# KiCad board klofi.kicad_pcb (continued)
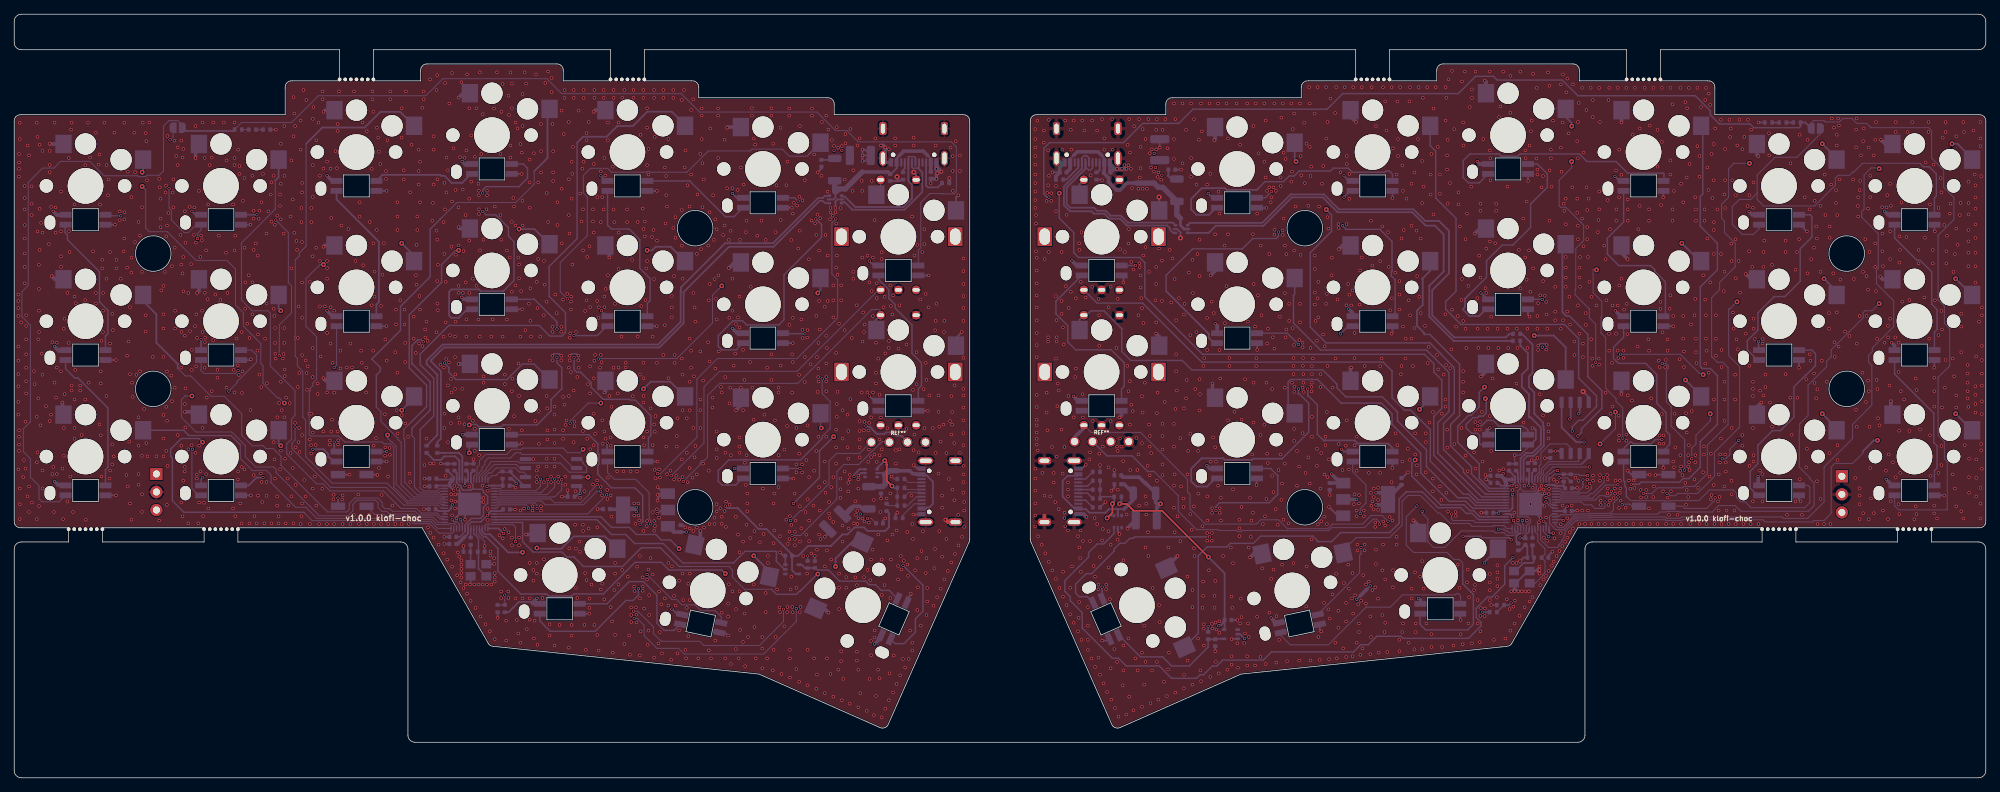
[diagram p0: board, top side]
## Routing (per net, layer and track width the routed paths; a pad name or vN(x,y) marks a point on that pad's centre or on a via; arc(x,y) is an arc through that point) (continued)
Net-(rLED13-DIN): length 20.3
  Back w0.203: rLED7.2 264.4,56.84 269.92,51.32 269.92,47.18 270.38,46.72 270.38,43.62 270,43.24 rLED13.4
Net-(rLED14-DIN): length 37.3
  Back w0.152: rLED14.4 252.23,41.16 252.49,40.91 252.49,38.73 251.78,38.02 244.22,38.02 243.39,38.85 242.75,38.85 242.18,39.42 242.18,40.06 241.72,40.52 238.38,40.52 236.88,39.02 232.88,39.02 232.82,38.96 232.03,38.96 231.99,39.01 228.56,39.01 228.54,39.02 227.28,39.02 226.98,39.32
  Back w0.203: 226.98,39.32 226.68,39.62 226.68,40.82 226.48,41.02 226.48,41.64 226.3,41.82 rLED15.2
Net-(rLED14-DOUT): length 27.6
  Back w0.203: rLED14.2 245.12,39.76 244.1,40.79 244.1,43.14 245.18,44.22 245.18,46.81 247.24,48.87 248.36,48.87 250.24,50.75 250.24,55.02 251.93,56.72 251.98,56.72 253.28,58.02 253.28,59.72 252.78,60.21 rLED8.4
Net-(rLED15-DIN): length 24.1
  Back w0.203: rLED15.4 231.9,46.04 232.78,46.92 232.78,48.32 232.28,48.82 232.28,51.42 230.97,52.73 230.97,56.77 229.4,58.34 225.58,58.34 224.88,59.04 224.88,60.59 226.3,62.02 rLED9.2
Net-(rLED16-DIN): length 59.4
  In1.Cu w0.203: v1(205.78,49.56) 205.05,49.56 203.74,48.25 203.74,46.5 204.68,45.56 204.68,44.32 198.78,38.42 197.41,38.42 v1(197.24,38.25)
  Back w0.152: 203.68,29.22 203.68,30.22 203.16,30.74 202.46,30.74 201.48,31.72 196.77,31.72 195.74,32.75 195.74,36.75 v1(197.24,38.25)
  Back w0.203: 203.68,29.22 203.68,27.32 204.77,26.22 204.77,26.21 205.07,25.92 205.08,25.92 205.18,25.82 205.18,21.62 204.38,20.82 198.48,20.82 197.68,21.62 197.68,23.04 rLED19.2 ; rLED16.4 212.85,48.92 212.46,49.31 212.29,49.31 212.09,49.5 208.76,49.5 207.94,50.32 207.08,50.32 206.31,49.56 v1(205.78,49.56)
Net-(rLED17-DOUT): length 25.2
  In1.Cu w0.152: v1(189.28,37.22) 189.28,33.32 189.38,33.22 v1(189.38,32.42)
  Back w0.152: v1(189.38,32.42) 189.38,31.52 189.18,31.32 189.18,28.87 rLED20.4 ; rLED17.2 188.2,43.09 190.08,41.22 190.08,38.67 189.28,37.87 v1(189.28,37.22)
Net-(rLED18-DIN): length 46.4
  In1.Cu w0.203: v1(168.98,37.62) 168.98,34.32 168.58,33.92 v1(168.08,33.92)
  Back w0.203: rLED21.2 150.89,25.5 149.74,25.5 149.24,26 149.24,27.25 150.73,28.74 151.5,28.74 154.68,31.92 154.68,32.22 155.48,33.02 156.18,33.02 156.87,33.71 157.36,33.71 157.58,33.92 v1(168.08,33.92) ; rLED18.4 176.65,43.54 177.68,42.52 177.68,39.92 176.48,38.72 169.48,38.72 168.98,38.22 v1(168.98,37.62)
Net-(rLED19-DIN): length 30.5
  Back w0.152: rLED20.2 178.1,20.03 179.42,18.72 184.78,18.72 190.08,24.02 193.48,24.02 195.21,25.75 202.61,25.75 202.78,25.92 203.08,25.92 203.38,25.62 203.38,24.54 rLED19.4
Net-(rR4-Pad2): length 15.6
  In1.Cu w0.152: v1(226.11,38.44) 226.07,38.48 224.91,38.48 224.37,37.94 222.88,37.94 222.38,38.44 222.38,39.02 221.28,40.12 219.48,40.12 217.38,42.22 v1(217.23,42.22)
  Back w0.152: rSMDSW1.2 227.46,38.23 227.18,38.52 226.26,38.52 226.18,38.44 v1(226.11,38.44) ; rR4.2 218.37,42.22 v1(217.23,42.22)
Net-(rR16-Pad2): length 1
  Back w0.254: rR17.1 250.15,92.24
Net-(rR17-Pad2): length 1
  Back w0.254: rR18.1 247.19,92.24 rR17.2
Net-(rU5-RUN): length 102.4
  In1.Cu w0.152: v1(197.99,37.5) 198.24,37.75 199.74,37.75 199.81,37.82 200.68,37.82 207.78,44.92 211.25,44.92 212.98,46.65 212.98,53.76 211.99,54.75 211.99,56.25 214.99,59.25 216.12,59.25 217.49,60.62 226.98,60.62 229.3,58.29 231.71,58.29 v1(231.74,58.32) ; v1(239.18,39.42) 239.18,39.97 236.32,42.82 235.38,42.82 v1(234.88,43.32)
  Back w0.152: v1(197.99,37.5) 197.99,37.22 198.78,36.43 198.78,33.21 199.56,32.43 201.16,32.43 203.49,34.75 207.99,34.75 208.24,34.5 209.49,34.5 209.87,34.12 210.83,34.12 211.17,34.46 211.18,34.46 211.32,34.61 211.32,34.67 211.42,34.76 rU5.26 ; v1(234.88,43.32) 234.88,46.5 ; 234.88,46.5 234.88,47.61 232.99,49.5 232.99,52.25 232.32,52.92 232.32,57.39 232.57,57.64 232.57,58 232.24,58.32 v1(231.74,58.32) ; 234.88,46.5 234.88,47.62 ; v1(239.18,39.42) 239.18,39.19 239.1,39.12 239.1,39.04 237.98,37.92 234.88,37.92 234.56,38.23 rSMDSW2.2
Net-(rU5-USB_DM): length 23.3
  Back w0.254: rU5.46 211.81,41.98 211.81,44.95 212.59,45.73 213.49,45.73 214.67,46.9 214.67,49.3 213.22,50.75 212.99,50.75 212.99,54 211.99,55 211.99,56.75 212.84,57.6 212.84,59.78 211.76,60.86 rR14.2
Net-(rU5-USB_DP): length 24.2
  Back w0.25: 215.1,49.01 215.05,49.06 215.05,49.46 214.99,49.52 214.99,50
  Back w0.254: rU5.47 212.23,41.98 212.23,44.78 212.76,45.31 213.66,45.31 215.08,46.73 215.08,48.99 215.1,49.01 ; rR13.2 211.99,62.5 213.49,61 213.49,57 212.99,56.5 212.99,55 213.74,54.25 213.74,51.25 214.99,50
Net-(rU5-XIN): length 10.1
  Back w0.152: rU5.20 213.82,34.66 213.82,34.66 214.24,34.25 214.24,33.25 215.24,32.25 215.24,31.48 rC22.1 215.24,30.52 215.24,28.85 215.2,28.85 214.95,28.6 214.95,28.46 213.89,27.4 rY1.1
Net-(rU5-XOUT): length 1.4
  Back w0.203: rR15.2 213.49,34.5 213.42,34.57 ; rU5.21 213.42,34.57 ; 213.42,34.57 213.42,34.51
Net-(U5-RUN): length 14.3
  Back w0.152: U5.26 62.21,35.5 61.93,35.78 61.21,35.78 61.06,35.64 59.46,35.64 58.75,36.34 56.4,36.34 55.92,36.82 52.28,36.82 52.01,37.08 50.69,37.08 SMDSW2.2
Net-(U5-USB_DM): length 8.1
  Back w0.254: 62.59,41.98 62.59,42.15 62.6,42.16 62.6,44.64 61.99,45.25 60.49,45.25 59.99,44.75 58.98,44.75 R14.2
Net-(U5-USB_DP): length 7
  Back w0.254: R13.2 61.48,45.74 61.49,45.75 62.53,45.75 63.01,45.27 63.01,44.51 63.01,44.51 63.01,41.98 U5.47
Net-(U5-XIN): length 7.5
  Back w0.203: Y1.1 65.28,29.47 65.28,33.72 64.61,34.39 U5.20
Net-(U5-XOUT): length 1.3
  Back w0.203: U5.21 64.18,35.07 R15.2

## Copper pours and planes (outline as drawn; the poured copper is in the pictures)
+5V on Back: 119.98,36.22 120.78,36.22 120.98,36.72 120.98,37.42 119.28,37.7 118.78,37.2 118.78,37 119.18,36.92 119.58,36.62
+5V on Back: 117.18,86.32 116.28,86.82 114.49,86.75 114.24,87 114.24,87.5 114.99,88 115.24,88.52 116.58,88.52 117.16,88.95
+5V on In1.Cu: 118.88,37.02 118.88,37.32 119.18,37.52 119.58,37.72 120.18,37.22 120.18,36.52 119.88,36.32
+5V on In1.Cu: 116.68,88.62 114.98,88.62 114.28,88.02 114.28,87.62 114.8,86.94 115.28,86.72 116.38,86.72 116.68,87.12
+5VR on Back: 163.48,84.72 161.78,83.92 161.18,84.72 161.18,85.22 160.88,85.62 160.28,85.82 160.28,86.42 159.98,86.72 159.98,87.92 160.18,88.12 160.58,88.12 162.38,86.72 162.58,85.82
+5VR on In1.Cu: 160.28,85.82 161.08,85.42 161.28,85.02 161.38,84.62 161.78,84.82 162.08,85.52 161.88,87.52 160.58,88.12 160.18,88.12 159.98,87.82
/left/VBUS_unfiltered on Back: 124.38,86.92 124.68,87.42 124.98,88.42 123.78,87.22 123.78,86.92
/left/VBUS_unfiltered on Back: 128.58,86.92 128.28,87.42 127.98,88.42 129.18,87.22 129.18,86.92
GND on Front, In2.Cu: 136.45,101.96 -3.98,101.78 -3.79,5.26 136.26,5.45
GNDR on Front: 141.68,101.96 278.68,102.51 279.18,5.32 140.68,5.07
GNDR on In2.Cu: 140.93,101.57 277.93,101.32 278.18,6.57 141.18,5.57
/right/rVBUS_ESD on Back: 152.98,86.92 152.68,87.42 152.38,88.42 153.58,87.22 153.58,86.92
/right/rVBUS_ESD on Back: 148.78,86.92 149.08,87.42 149.38,88.42 148.18,87.22 148.18,86.92

## Text on the board
B.Silkscreen: SWD | GND | SWCLK | Jumper for LED | BOOT | RESET
F.Silkscreen: v1.0.0 klofi-choc
